# KiCad board ae89fa26-SparkFun_Thing_Plus_ESP32-S3_panelized.kicad_pcb (continued)
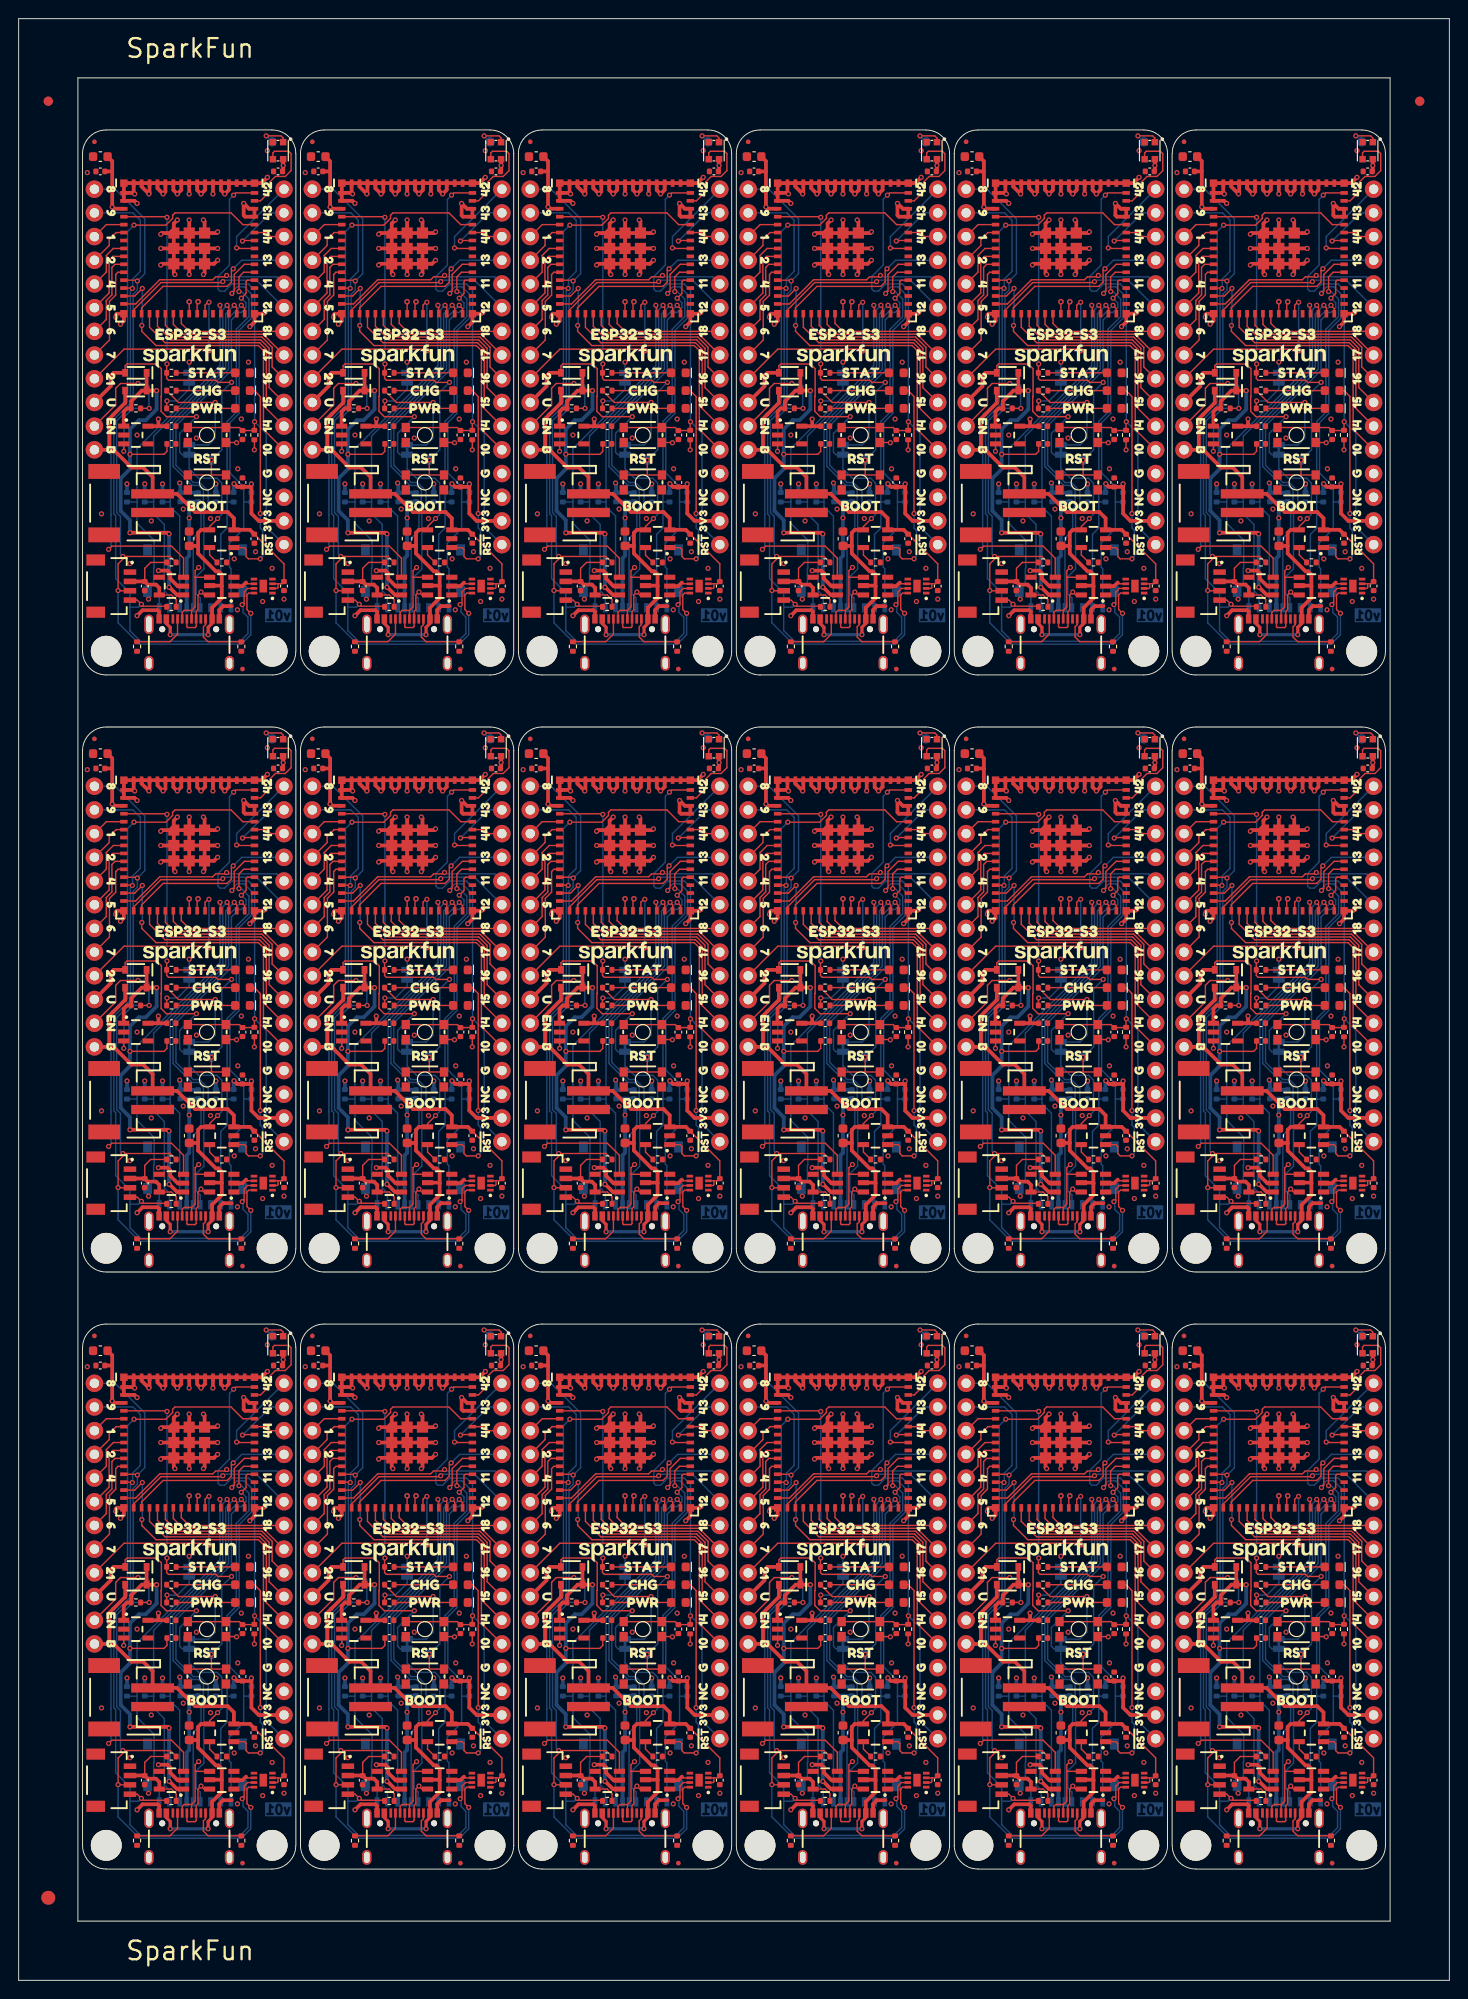
[diagram p0: board, top side]
## Nets (continued)
ESP16/A3: U3.20 U3#2.20 U3#3.20 U3#4.20 U3#5.20 U3#6.20 U3#7.20 U3#8.20 U3#9.20 U3#10.20 U3#11.20 U3#12.20 U3#13.20 U3#14.20 U3#15.20 U3#16.20 U3#17.20 U3#18.20 U10.21 U10#2.21 U10#3.21 U10#4.21 U10#5.21 U10#6.21 U10#7.21 U10#8.21 U10#9.21 U10#10.21 U10#11.21 U10#12.21 U10#13.21 U10#14.21 U10#15.21 U10#16.21 U10#17.21 U10#18.21
ESP17/A4: U3.21 U3#2.21 U3#3.21 U3#4.21 U3#5.21 U3#6.21 U3#7.21 U3#8.21 U3#9.21 U3#10.21 U3#11.21 U3#12.21 U3#13.21 U3#14.21 U3#15.21 U3#16.21 U3#17.21 U3#18.21 U10.20 U10#2.20 U10#3.20 U10#4.20 U10#5.20 U10#6.20 U10#7.20 U10#8.20 U10#9.20 U10#10.20 U10#11.20 U10#12.20 U10#13.20 U10#14.20 U10#15.20 U10#16.20 U10#17.20 U10#18.20
ESP18/A5: U3.22 U3#2.22 U3#3.22 U3#4.22 U3#5.22 U3#6.22 U3#7.22 U3#8.22 U3#9.22 U3#10.22 U3#11.22 U3#12.22 U3#13.22 U3#14.22 U3#15.22 U3#16.22 U3#17.22 U3#18.22 U10.19 U10#2.19 U10#3.19 U10#4.19 U10#5.19 U10#6.19 U10#7.19 U10#8.19 U10#9.19 U10#10.19 U10#11.19 U10#12.19 U10#13.19 U10#14.19 U10#15.19 U10#16.19 U10#17.19 U10#18.19
ESP19/D-: J1.A7 J1.B7 J1#2.A7 J1#2.B7 J1#3.A7 J1#3.B7 J1#4.A7 J1#4.B7 J1#5.A7 J1#5.B7 J1#6.A7 J1#6.B7 J1#7.A7 J1#7.B7 J1#8.A7 J1#8.B7 J1#9.A7 J1#9.B7 J1#10.A7 J1#10.B7 J1#11.A7 J1#11.B7 J1#12.A7 J1#12.B7 J1#13.A7 J1#13.B7 J1#14.A7 J1#14.B7 J1#15.A7 J1#15.B7 J1#16.A7 J1#16.B7 J1#17.A7 J1#17.B7 J1#18.A7 J1#18.B7 U2.4 U2#2.4 U2#3.4 U2#4.4 U2#5.4 U2#6.4 U2#7.4 U2#8.4 U2#9.4 U2#10.4 U2#11.4 U2#12.4 U2#13.4 U2#14.4 U2#15.4 U2#16.4 U2#17.4 U2#18.4 U3.23 U3#2.23 U3#3.23 U3#4.23 U3#5.23 U3#6.23 U3#7.23 U3#8.23 U3#9.23 U3#10.23 U3#11.23 U3#12.23 U3#13.23 U3#14.23 U3#15.23 U3#16.23 U3#17.23 U3#18.23
ESP20/D+: J1.A6 J1.B6 J1#2.A6 J1#2.B6 J1#3.A6 J1#3.B6 J1#4.A6 J1#4.B6 J1#5.A6 J1#5.B6 J1#6.A6 J1#6.B6 J1#7.A6 J1#7.B6 J1#8.A6 J1#8.B6 J1#9.A6 J1#9.B6 J1#10.A6 J1#10.B6 J1#11.A6 J1#11.B6 J1#12.A6 J1#12.B6 J1#13.A6 J1#13.B6 J1#14.A6 J1#14.B6 J1#15.A6 J1#15.B6 J1#16.A6 J1#16.B6 J1#17.A6 J1#17.B6 J1#18.A6 J1#18.B6 U2.6 U2#2.6 U2#3.6 U2#4.6 U2#5.6 U2#6.6 U2#7.6 U2#8.6 U2#9.6 U2#10.6 U2#11.6 U2#12.6 U2#13.6 U2#14.6 U2#15.6 U2#16.6 U2#17.6 U2#18.6 U3.24 U3#2.24 U3#3.24 U3#4.24 U3#5.24 U3#6.24 U3#7.24 U3#8.24 U3#9.24 U3#10.24 U3#11.24 U3#12.24 U3#13.24 U3#14.24 U3#15.24 U3#16.24 U3#17.24 U3#18.24
ESP21: U3.25 U3#2.25 U3#3.25 U3#4.25 U3#5.25 U3#6.25 U3#7.25 U3#8.25 U3#9.25 U3#10.25 U3#11.25 U3#12.25 U3#13.25 U3#14.25 U3#15.25 U3#16.25 U3#17.25 U3#18.25 U10.9 U10#2.9 U10#3.9 U10#4.9 U10#5.9 U10#6.9 U10#7.9 U10#8.9 U10#9.9 U10#10.9 U10#11.9 U10#12.9 U10#13.9 U10#14.9 U10#15.9 U10#16.9 U10#17.9 U10#18.9
ESP33/SDIO3: J2.2 J2#2.2 J2#3.2 J2#4.2 J2#5.2 J2#6.2 J2#7.2 J2#8.2 J2#9.2 J2#10.2 J2#11.2 J2#12.2 J2#13.2 J2#14.2 J2#15.2 J2#16.2 J2#17.2 J2#18.2 R6.2 R6#2.2 R6#3.2 R6#4.2 R6#5.2 R6#6.2 R6#7.2 R6#8.2 R6#9.2 R6#10.2 R6#11.2 R6#12.2 R6#13.2 R6#14.2 R6#15.2 R6#16.2 R6#17.2 R6#18.2 U3.28 U3#2.28 U3#3.28 U3#4.28 U3#5.28 U3#6.28 U3#7.28 U3#8.28 U3#9.28 U3#10.28 U3#11.28 U3#12.28 U3#13.28 U3#14.28 U3#15.28 U3#16.28 U3#17.28 U3#18.28
ESP34/SDIO_CMD: J2.3 J2#2.3 J2#3.3 J2#4.3 J2#5.3 J2#6.3 J2#7.3 J2#8.3 J2#9.3 J2#10.3 J2#11.3 J2#12.3 J2#13.3 J2#14.3 J2#15.3 J2#16.3 J2#17.3 J2#18.3 R1.2 R1#2.2 R1#3.2 R1#4.2 R1#5.2 R1#6.2 R1#7.2 R1#8.2 R1#9.2 R1#10.2 R1#11.2 R1#12.2 R1#13.2 R1#14.2 R1#15.2 R1#16.2 R1#17.2 R1#18.2 U3.29 U3#2.29 U3#3.29 U3#4.29 U3#5.29 U3#6.29 U3#7.29 U3#8.29 U3#9.29 U3#10.29 U3#11.29 U3#12.29 U3#13.29 U3#14.29 U3#15.29 U3#16.29 U3#17.29 U3#18.29
ESP38/SDIO_CLK: J2.5 J2#2.5 J2#3.5 J2#4.5 J2#5.5 J2#6.5 J2#7.5 J2#8.5 J2#9.5 J2#10.5 J2#11.5 J2#12.5 J2#13.5 J2#14.5 J2#15.5 J2#16.5 J2#17.5 J2#18.5 R2.2 R2#2.2 R2#3.2 R2#4.2 R2#5.2 R2#6.2 R2#7.2 R2#8.2 R2#9.2 R2#10.2 R2#11.2 R2#12.2 R2#13.2 R2#14.2 R2#15.2 R2#16.2 R2#17.2 R2#18.2 U3.34 U3#2.34 U3#3.34 U3#4.34 U3#5.34 U3#6.34 U3#7.34 U3#8.34 U3#9.34 U3#10.34 U3#11.34 U3#12.34 U3#13.34 U3#14.34 U3#15.34 U3#16.34 U3#17.34 U3#18.34
ESP39/SDIO0: J2.7 J2#2.7 J2#3.7 J2#4.7 J2#5.7 J2#6.7 J2#7.7 J2#8.7 J2#9.7 J2#10.7 J2#11.7 J2#12.7 J2#13.7 J2#14.7 J2#15.7 J2#16.7 J2#17.7 J2#18.7 R3.2 R3#2.2 R3#3.2 R3#4.2 R3#5.2 R3#6.2 R3#7.2 R3#8.2 R3#9.2 R3#10.2 R3#11.2 R3#12.2 R3#13.2 R3#14.2 R3#15.2 R3#16.2 R3#17.2 R3#18.2 U3.35 U3#2.35 U3#3.35 U3#4.35 U3#5.35 U3#6.35 U3#7.35 U3#8.35 U3#9.35 U3#10.35 U3#11.35 U3#12.35 U3#13.35 U3#14.35 U3#15.35 U3#16.35 U3#17.35 U3#18.35
ESP40/SDIO1: J2.8 J2#2.8 J2#3.8 J2#4.8 J2#5.8 J2#6.8 J2#7.8 J2#8.8 J2#9.8 J2#10.8 J2#11.8 J2#12.8 J2#13.8 J2#14.8 J2#15.8 J2#16.8 J2#17.8 J2#18.8 R4.2 R4#2.2 R4#3.2 R4#4.2 R4#5.2 R4#6.2 R4#7.2 R4#8.2 R4#9.2 R4#10.2 R4#11.2 R4#12.2 R4#13.2 R4#14.2 R4#15.2 R4#16.2 R4#17.2 R4#18.2 U3.36 U3#2.36 U3#3.36 U3#4.36 U3#5.36 U3#6.36 U3#7.36 U3#8.36 U3#9.36 U3#10.36 U3#11.36 U3#12.36 U3#13.36 U3#14.36 U3#15.36 U3#16.36 U3#17.36 U3#18.36
ESP41/NC: U3.37 U3#2.37 U3#3.37 U3#4.37 U3#5.37 U3#6.37 U3#7.37 U3#8.37 U3#9.37 U3#10.37 U3#11.37 U3#12.37 U3#13.37 U3#14.37 U3#15.37 U3#16.37 U3#17.37 U3#18.37
ESP42/FREE: U3.38 U3#2.38 U3#3.38 U3#4.38 U3#5.38 U3#6.38 U3#7.38 U3#8.38 U3#9.38 U3#10.38 U3#11.38 U3#12.38 U3#13.38 U3#14.38 U3#15.38 U3#16.38 U3#17.38 U3#18.38 U10.13 U10#2.13 U10#3.13 U10#4.13 U10#5.13 U10#6.13 U10#7.13 U10#8.13 U10#9.13 U10#10.13 U10#11.13 U10#12.13 U10#13.13 U10#14.13 U10#15.13 U10#16.13 U10#17.13 U10#18.13
ESP43/TXO: U3.39 U3#2.39 U3#3.39 U3#4.39 U3#5.39 U3#6.39 U3#7.39 U3#8.39 U3#9.39 U3#10.39 U3#11.39 U3#12.39 U3#13.39 U3#14.39 U3#15.39 U3#16.39 U3#17.39 U3#18.39 U10.14 U10#2.14 U10#3.14 U10#4.14 U10#5.14 U10#6.14 U10#7.14 U10#8.14 U10#9.14 U10#10.14 U10#11.14 U10#12.14 U10#13.14 U10#14.14 U10#15.14 U10#16.14 U10#17.14 U10#18.14
ESP44/RXI: U3.40 U3#2.40 U3#3.40 U3#4.40 U3#5.40 U3#6.40 U3#7.40 U3#8.40 U3#9.40 U3#10.40 U3#11.40 U3#12.40 U3#13.40 U3#14.40 U3#15.40 U3#16.40 U3#17.40 U3#18.40 U10.15 U10#2.15 U10#3.15 U10#4.15 U10#5.15 U10#6.15 U10#7.15 U10#8.15 U10#9.15 U10#10.15 U10#11.15 U10#12.15 U10#13.15 U10#14.15 U10#15.15 U10#16.15 U10#17.15 U10#18.15
ESP45/Q_EN: U1.3 U1#2.3 U1#3.3 U1#4.3 U1#5.3 U1#6.3 U1#7.3 U1#8.3 U1#9.3 U1#10.3 U1#11.3 U1#12.3 U1#13.3 U1#14.3 U1#15.3 U1#16.3 U1#17.3 U1#18.3 U3.41 U3#2.41 U3#3.41 U3#4.41 U3#5.41 U3#6.41 U3#7.41 U3#8.41 U3#9.41 U3#10.41 U3#11.41 U3#12.41 U3#13.41 U3#14.41 U3#15.41 U3#16.41 U3#17.41 U3#18.41
ESP46/LED: D6.4 D6#2.4 D6#3.4 D6#4.4 D6#5.4 D6#6.4 D6#7.4 D6#8.4 D6#9.4 D6#10.4 D6#11.4 D6#12.4 D6#13.4 D6#14.4 D6#15.4 D6#16.4 D6#17.4 D6#18.4 U3.44 U3#2.44 U3#3.44 U3#4.44 U3#5.44 U3#6.44 U3#7.44 U3#8.44 U3#9.44 U3#10.44 U3#11.44 U3#12.44 U3#13.44 U3#14.44 U3#15.44 U3#16.44 U3#17.44 U3#18.44
ESP47/SDIO2: J2.1 J2#2.1 J2#3.1 J2#4.1 J2#5.1 J2#6.1 J2#7.1 J2#8.1 J2#9.1 J2#10.1 J2#11.1 J2#12.1 J2#13.1 J2#14.1 J2#15.1 J2#16.1 J2#17.1 J2#18.1 R5.2 R5#2.2 R5#3.2 R5#4.2 R5#5.2 R5#6.2 R5#7.2 R5#8.2 R5#9.2 R5#10.2 R5#11.2 R5#12.2 R5#13.2 R5#14.2 R5#15.2 R5#16.2 R5#17.2 R5#18.2 U3.27 U3#2.27 U3#3.27 U3#4.27 U3#5.27 U3#6.27 U3#7.27 U3#8.27 U3#9.27 U3#10.27 U3#11.27 U3#12.27 U3#13.27 U3#14.27 U3#15.27 U3#16.27 U3#17.27 U3#18.27
ESP48/SDIO_~{DET}: J2.9 J2#2.9 J2#3.9 J2#4.9 J2#5.9 J2#6.9 J2#7.9 J2#8.9 J2#9.9 J2#10.9 J2#11.9 J2#12.9 J2#13.9 J2#14.9 J2#15.9 J2#16.9 J2#17.9 J2#18.9 U3.30 U3#2.30 U3#3.30 U3#4.30 U3#5.30 U3#6.30 U3#7.30 U3#8.30 U3#9.30 U3#10.30 U3#11.30 U3#12.30 U3#13.30 U3#14.30 U3#15.30 U3#16.30 U3#17.30 U3#18.30
ESP~{RST}: C6.1 C6#2.1 C6#3.1 C6#4.1 C6#5.1 C6#6.1 C6#7.1 C6#8.1 C6#9.1 C6#10.1 C6#11.1 C6#12.1 C6#13.1 C6#14.1 C6#15.1 C6#16.1 C6#17.1 C6#18.1 R8.2 R8#2.2 R8#3.2 R8#4.2 R8#5.2 R8#6.2 R8#7.2 R8#8.2 R8#9.2 R8#10.2 R8#11.2 R8#12.2 R8#13.2 R8#14.2 R8#15.2 R8#16.2 R8#17.2 R8#18.2 SW2.1 SW2#2.1 SW2#3.1 SW2#4.1 SW2#5.1 SW2#6.1 SW2#7.1 SW2#8.1 SW2#9.1 SW2#10.1 SW2#11.1 SW2#12.1 SW2#13.1 SW2#14.1 SW2#15.1 SW2#16.1 SW2#17.1 SW2#18.1 U3.45 U3#2.45 U3#3.45 U3#4.45 U3#5.45 U3#6.45 U3#7.45 U3#8.45 U3#9.45 U3#10.45 U3#11.45 U3#12.45 U3#13.45 U3#14.45 U3#15.45 U3#16.45 U3#17.45 U3#18.45 U10.28 U10#2.28 U10#3.28 U10#4.28 U10#5.28 U10#6.28 U10#7.28 U10#8.28 U10#9.28 U10#10.28 U10#11.28 U10#12.28 U10#13.28 U10#14.28 U10#15.28 U10#16.28 U10#17.28 U10#18.28
Q3V3: C3.1 C3#2.1 C3#3.1 C3#4.1 C3#5.1 C3#6.1 C3#7.1 C3#8.1 C3#9.1 C3#10.1 C3#11.1 C3#12.1 C3#13.1 C3#14.1 C3#15.1 C3#16.1 C3#17.1 C3#18.1 J4.2 J4#2.2 J4#3.2 J4#4.2 J4#5.2 J4#6.2 J4#7.2 J4#8.2 J4#9.2 J4#10.2 J4#11.2 J4#12.2 J4#13.2 J4#14.2 J4#15.2 J4#16.2 J4#17.2 J4#18.2 R12.1 R12#2.1 R12#3.1 R12#4.1 R12#5.1 R12#6.1 R12#7.1 R12#8.1 R12#9.1 R12#10.1 R12#11.1 R12#12.1 R12#13.1 R12#14.1 R12#15.1 R12#16.1 R12#17.1 R12#18.1 R15.1 R15#2.1 R15#3.1 R15#4.1 R15#5.1 R15#6.1 R15#7.1 R15#8.1 R15#9.1 R15#10.1 R15#11.1 R15#12.1 R15#13.1 R15#14.1 R15#15.1 R15#16.1 R15#17.1 R15#18.1 U1.5 U1#2.5 U1#3.5 U1#4.5 U1#5.5 U1#6.5 U1#7.5 U1#8.5 U1#9.5 U1#10.5 U1#11.5 U1#12.5 U1#13.5 U1#14.5 U1#15.5 U1#16.5 U1#17.5 U1#18.5
VUSB: C9.1 C9#2.1 C9#3.1 C9#4.1 C9#5.1 C9#6.1 C9#7.1 C9#8.1 C9#9.1 C9#10.1 C9#11.1 C9#12.1 C9#13.1 C9#14.1 C9#15.1 C9#16.1 C9#17.1 C9#18.1 D2.A D2#2.A D2#3.A D2#4.A D2#5.A D2#6.A D2#7.A D2#8.A D2#9.A D2#10.A D2#11.A D2#12.A D2#13.A D2#14.A D2#15.A D2#16.A D2#17.A D2#18.A J1.VBUS J1#2.VBUS J1#3.VBUS J1#4.VBUS J1#5.VBUS J1#6.VBUS J1#7.VBUS J1#8.VBUS J1#9.VBUS J1#10.VBUS J1#11.VBUS J1#12.VBUS J1#13.VBUS J1#14.VBUS J1#15.VBUS J1#16.VBUS J1#17.VBUS J1#18.VBUS JP1.2 JP1#2.2 JP1#3.2 JP1#4.2 JP1#5.2 JP1#6.2 JP1#7.2 JP1#8.2 JP1#9.2 JP1#10.2 JP1#11.2 JP1#12.2 JP1#13.2 JP1#14.2 JP1#15.2 JP1#16.2 JP1#17.2 JP1#18.2 U2.5 U2#2.5 U2#3.5 U2#4.5 U2#5.5 U2#6.5 U2#7.5 U2#8.5 U2#9.5 U2#10.5 U2#11.5 U2#12.5 U2#13.5 U2#14.5 U2#15.5 U2#16.5 U2#17.5 U2#18.5 U5.4 U5#2.4 U5#3.4 U5#4.4 U5#5.4 U5#6.4 U5#7.4 U5#8.4 U5#9.4 U5#10.4 U5#11.4 U5#12.4 U5#13.4 U5#14.4 U5#15.4 U5#16.4 U5#17.4 U5#18.4 U10.10 U10#2.10 U10#3.10 U10#4.10 U10#5.10 U10#6.10 U10#7.10 U10#8.10 U10#9.10 U10#10.10 U10#11.10 U10#12.10 U10#13.10 U10#14.10 U10#15.10 U10#16.10 U10#17.10 U10#18.10
Net-(D1-A): D1.2 D1#2.2 D1#3.2 D1#4.2 D1#5.2 D1#6.2 D1#7.2 D1#8.2 D1#9.2 D1#10.2 D1#11.2 D1#12.2 D1#13.2 D1#14.2 D1#15.2 D1#16.2 D1#17.2 D1#18.2 R7.2 R7#2.2 R7#3.2 R7#4.2 R7#5.2 R7#6.2 R7#7.2 R7#8.2 R7#9.2 R7#10.2 R7#11.2 R7#12.2 R7#13.2 R7#14.2 R7#15.2 R7#16.2 R7#17.2 R7#18.2
Net-(D4-A): D4.2 D4#2.2 D4#3.2 D4#4.2 D4#5.2 D4#6.2 D4#7.2 D4#8.2 D4#9.2 D4#10.2 D4#11.2 D4#12.2 D4#13.2 D4#14.2 D4#15.2 D4#16.2 D4#17.2 D4#18.2 R14.1 R14#2.1 R14#3.1 R14#4.1 R14#5.1 R14#6.1 R14#7.1 R14#8.1 R14#9.1 R14#10.1 R14#11.1 R14#12.1 R14#13.1 R14#14.1 R14#15.1 R14#16.1 R14#17.1 R14#18.1
Net-(D4-K): D4.1 D4#2.1 D4#3.1 D4#4.1 D4#5.1 D4#6.1 D4#7.1 D4#8.1 D4#9.1 D4#10.1 D4#11.1 D4#12.1 D4#13.1 D4#14.1 D4#15.1 D4#16.1 D4#17.1 D4#18.1 U5.1 U5#2.1 U5#3.1 U5#4.1 U5#5.1 U5#6.1 U5#7.1 U5#8.1 U5#9.1 U5#10.1 U5#11.1 U5#12.1 U5#13.1 U5#14.1 U5#15.1 U5#16.1 U5#17.1 U5#18.1
Net-(D5-A): D5.2 D5#2.2 D5#3.2 D5#4.2 D5#5.2 D5#6.2 D5#7.2 D5#8.2 D5#9.2 D5#10.2 D5#11.2 D5#12.2 D5#13.2 D5#14.2 D5#15.2 D5#16.2 D5#17.2 D5#18.2 R9.2 R9#2.2 R9#3.2 R9#4.2 R9#5.2 R9#6.2 R9#7.2 R9#8.2 R9#9.2 R9#10.2 R9#11.2 R9#12.2 R9#13.2 R9#14.2 R9#15.2 R9#16.2 R9#17.2 R9#18.2
Net-(D6-DOUT): D6.2 D6#2.2 D6#3.2 D6#4.2 D6#5.2 D6#6.2 D6#7.2 D6#8.2 D6#9.2 D6#10.2 D6#11.2 D6#12.2 D6#13.2 D6#14.2 D6#15.2 D6#16.2 D6#17.2 D6#18.2 TP1.1 TP1#2.1 TP1#3.1 TP1#4.1 TP1#5.1 TP1#6.1 TP1#7.1 TP1#8.1 TP1#9.1 TP1#10.1 TP1#11.1 TP1#12.1 TP1#13.1 TP1#14.1 TP1#15.1 TP1#16.1 TP1#17.1 TP1#18.1
Net-(J1-CC1): J1.A5 J1#2.A5 J1#3.A5 J1#4.A5 J1#5.A5 J1#6.A5 J1#7.A5 J1#8.A5 J1#9.A5 J1#10.A5 J1#11.A5 J1#12.A5 J1#13.A5 J1#14.A5 J1#15.A5 J1#16.A5 J1#17.A5 J1#18.A5 R11.1 R11#2.1 R11#3.1 R11#4.1 R11#5.1 R11#6.1 R11#7.1 R11#8.1 R11#9.1 R11#10.1 R11#11.1 R11#12.1 R11#13.1 R11#14.1 R11#15.1 R11#16.1 R11#17.1 R11#18.1
Net-(J1-CC2): J1.B5 J1#2.B5 J1#3.B5 J1#4.B5 J1#5.B5 J1#6.B5 J1#7.B5 J1#8.B5 J1#9.B5 J1#10.B5 J1#11.B5 J1#12.B5 J1#13.B5 J1#14.B5 J1#15.B5 J1#16.B5 J1#17.B5 J1#18.B5 R10.2 R10#2.2 R10#3.2 R10#4.2 R10#5.2 R10#6.2 R10#7.2 R10#8.2 R10#9.2 R10#10.2 R10#11.2 R10#12.2 R10#13.2 R10#14.2 R10#15.2 R10#16.2 R10#17.2 R10#18.2
Net-(JP1-A): JP1.1 JP1#2.1 JP1#3.1 JP1#4.1 JP1#5.1 JP1#6.1 JP1#7.1 JP1#8.1 JP1#9.1 JP1#10.1 JP1#11.1 JP1#12.1 JP1#13.1 JP1#14.1 JP1#15.1 JP1#16.1 JP1#17.1 JP1#18.1 R14.2 R14#2.2 R14#3.2 R14#4.2 R14#5.2 R14#6.2 R14#7.2 R14#8.2 R14#9.2 R14#10.2 R14#11.2 R14#12.2 R14#13.2 R14#14.2 R14#15.2 R14#16.2 R14#17.2 R14#18.2
Net-(JP4-A): JP4.1 JP4#2.1 JP4#3.1 JP4#4.1 JP4#5.1 JP4#6.1 JP4#7.1 JP4#8.1 JP4#9.1 JP4#10.1 JP4#11.1 JP4#12.1 JP4#13.1 JP4#14.1 JP4#15.1 JP4#16.1 JP4#17.1 JP4#18.1 R9.1 R9#2.1 R9#3.1 R9#4.1 R9#5.1 R9#6.1 R9#7.1 R9#8.1 R9#9.1 R9#10.1 R9#11.1 R9#12.1 R9#13.1 R9#14.1 R9#15.1 R9#16.1 R9#17.1 R9#18.1
Net-(U5-PROG): R16.1 R16#2.1 R16#3.1 R16#4.1 R16#5.1 R16#6.1 R16#7.1 R16#8.1 R16#9.1 R16#10.1 R16#11.1 R16#12.1 R16#13.1 R16#14.1 R16#15.1 R16#16.1 R16#17.1 R16#18.1 U5.5 U5#2.5 U5#3.5 U5#4.5 U5#5.5 U5#6.5 U5#7.5 U5#8.5 U5#9.5 U5#10.5 U5#11.5 U5#12.5 U5#13.5 U5#14.5 U5#15.5 U5#16.5 U5#17.5 U5#18.5

Pads without a net: J1 A8 B8 NC1 NC2 NC3; J1#2 A8 B8 NC1 NC2 NC3; J1#3 A8 B8 NC1 NC2 NC3; J1#4 A8 B8 NC1 NC2 NC3; J1#5 A8 B8 NC1 NC2 NC3; J1#6 A8 B8 NC1 NC2 NC3; J1#7 A8 B8 NC1 NC2 NC3; J1#8 A8 B8 NC1 NC2 NC3; J1#9 A8 B8 NC1 NC2 NC3; J1#10 A8 B8 NC1 NC2 NC3; J1#11 A8 B8 NC1 NC2 NC3; J1#12 A8 B8 NC1 NC2 NC3; J1#13 A8 B8 NC1 NC2 NC3; J1#14 A8 B8 NC1 NC2 NC3; J1#15 A8 B8 NC1 NC2 NC3; J1#16 A8 B8 NC1 NC2 NC3; J1#17 A8 B8 NC1 NC2 NC3; J1#18 A8 B8 NC1 NC2 NC3; J3 NC1 NC2; J3#2 NC1 NC2; J3#3 NC1 NC2; J3#4 NC1 NC2; J3#5 NC1 NC2; J3#6 NC1 NC2; J3#7 NC1 NC2; J3#8 NC1 NC2; J3#9 NC1 NC2; J3#10 NC1 NC2; J3#11 NC1 NC2; J3#12 NC1 NC2; J3#13 NC1 NC2; J3#14 NC1 NC2; J3#15 NC1 NC2; J3#16 NC1 NC2; J3#17 NC1 NC2; J3#18 NC1 NC2; J4 NC1 NC2; J4#2 NC1 NC2; J4#3 NC1 NC2; J4#4 NC1 NC2; J4#5 NC1 NC2; J4#6 NC1 NC2; J4#7 NC1 NC2; J4#8 NC1 NC2; J4#9 NC1 NC2; J4#10 NC1 NC2; J4#11 NC1 NC2; J4#12 NC1 NC2; J4#13 NC1 NC2; J4#14 NC1 NC2; J4#15 NC1 NC2; J4#16 NC1 NC2; J4#17 NC1 NC2; J4#18 NC1 NC2; U1 4; U1#2 4; U1#3 4; U1#4 4; U1#5 4; U1#6 4; U1#7 4; U1#8 4; U1#9 4; U1#10 4; U1#11 4; U1#12 4; U1#13 4; U1#14 4; U1#15 4; U1#16 4; U1#17 4; U1#18 4; U2 1 3; U2#2 1 3; U2#3 1 3; U2#4 1 3; U2#5 1 3; U2#6 1 3; U2#7 1 3; U2#8 1 3; U2#9 1 3; U2#10 1 3; U2#11 1 3; U2#12 1 3; U2#13 1 3; U2#14 1 3; U2#15 1 3; U2#16 1 3; U2#17 1 3; U2#18 1 3; U3 7 26 31 32 33; U3#2 7 26 31 32 33; U3#3 7 26 31 32 33; U3#4 7 26 31 32 33; U3#5 7 26 31 32 33; U3#6 7 26 31 32 33; U3#7 7 26 31 32 33; U3#8 7 26 31 32 33; U3#9 7 26 31 32 33; U3#10 7 26 31 32 33; U3#11 7 26 31 32 33; U3#12 7 26 31 32 33; U3#13 7 26 31 32 33; U3#14 7 26 31 32 33; U3#15 7 26 31 32 33; U3#16 7 26 31 32 33; U3#17 7 26 31 32 33; U3#18 7 26 31 32 33; U4 5 9; U4#2 5 9; U4#3 5 9; U4#4 5 9; U4#5 5 9; U4#6 5 9; U4#7 5 9; U4#8 5 9; U4#9 5 9; U4#10 5 9; U4#11 5 9; U4#12 5 9; U4#13 5 9; U4#14 5 9; U4#15 5 9; U4#16 5 9; U4#17 5 9; U4#18 5 9; U6 4; U6#2 4; U6#3 4; U6#4 4; U6#5 4; U6#6 4; U6#7 4; U6#8 4; U6#9 4; U6#10 4; U6#11 4; U6#12 4; U6#13 4; U6#14 4; U6#15 4; U6#16 4; U6#17 4; U6#18 4; U10 26; U10#2 26; U10#3 26; U10#4 26; U10#5 26; U10#6 26; U10#7 26; U10#8 26; U10#9 26; U10#10 26; U10#11 26; U10#12 26; U10#13 26; U10#14 26; U10#15 26; U10#16 26; U10#17 26; U10#18 26

## Via types
v1: diameter 0.56, hole 0.3, Top to Bottom, 1998 vias
v2: diameter 0.61, hole 0.305, Top to Bottom, 54 vias

## Routing (per net, layer and track width the routed paths; a pad name or vN(x,y) marks a point on that pad's centre or on a via; arc(x,y) is an arc through that point)
+3.3V: length 760.4
  Top w0.152: R8#8.1 v1(71.99,100.06) ; R8#6.1 v1(48.62,164.06) ; R8#5.1 v1(48.62,100.06) ; R8#14.1 v1(142.06,100.06) ; R8#10.1 v1(142.06,164.06) ; R8#18.1 v1(25.27,36.06) ; R8#7.1 v1(71.99,36.06) ; R8#2.1 v1(95.34,36.06) ; R8#9.1 v1(71.99,164.06) ; R8#4.1 v1(48.62,36.06) ; R8#15.1 v1(95.34,100.06) ; R8#12.1 v1(118.71,36.06) ; R8#17.1 v1(118.71,164.06) ; R8#13.1 v1(142.06,36.06) ; R8#3.1 v1(25.27,100.06) ; R8.1 v1(25.27,164.06) ; R8#11.1 v1(118.71,100.06) ; R8#16.1 v1(95.34,164.06)
  Top w0.406: U6#5.5 61.7,38.6 ; 61.7,38.6 v1(61.7,39.36) ; 61.7,38.6 62.61,38.6 C13#3.1 ; C1#8.2 10.03,131 10.03,129.91 ; 126.82,65.91 126.82,67 C1#4.2 ; 126.82,65.91 C7#15.1 ; 126.82,65.91 v1(126.82,62.1) 127.02,61.9 U3#16.3 ; 80.1,129.91 v1(80.1,126.1) 80.3,125.9 U3#15.3 ; 80.1,129.91 C7#11.1 ; 80.1,129.91 80.1,131 C1#12.2 ; 10.03,65.91 v1(10.03,62.1) 10.22,61.9 U3#18.3 ; 10.03,65.91 C7#18.1 ; 10.03,65.91 10.03,67 C1#18.2 ; U6#18.5 14.98,38.6 ; 14.98,38.6 v1(14.98,39.36) ; 14.98,38.6 15.89,38.6 C13#18.1 ; U3#12.3 127.02,125.9 v1(126.82,126.1) 126.82,129.91 ; C1#15.2 103.47,195 103.47,193.91 ; C13.1 15.89,102.6 14.98,102.6 ; 80.1,193.91 v1(80.1,190.1) 80.3,189.9 U3#10.3 ; 80.1,193.91 80.1,195 C1#13.2 ; 80.1,193.91 C7#12.1 ; U10#6.27 72.46,28.44 71.67,29.23 v1(71.67,32.41) 71.67,32.25 71.5,32.09 C11#7.1 70.15,32.09 v1(69.81,32.43) ; 38.34,166.6 39.25,166.6 39.25,166.6 ; 38.34,166.6 v1(38.34,167.36) ; 38.34,166.6 U6#10.5 ; D6#3.1 98.44,129.98 98.37,129.91 ; 56.75,129.91 56.75,131 C1#10.2 ; 56.75,129.91 v1(56.75,126.1) 56.94,125.9 U3#8.3 ; 56.75,129.91 C7#2.1 ; 80.1,65.91 v1(80.1,62.1) 80.3,61.9 U3#11.3 ; 80.1,65.91 C7#10.1 ; 80.1,65.91 80.1,67 C1#11.2 ; C7.1 10.03,193.91 ; 10.03,193.91 10.03,195 C1#7.2 ; 10.03,193.91 v1(10.03,190.1) 10.22,189.9 U3#3.3 ; U10#9.27 72.46,92.44 71.67,93.23 v1(71.67,96.41) 71.67,96.25 71.5,96.09 C11#13.1 70.15,96.09 v1(69.81,96.43) ; C8#5.1 28.36,193.98 D6#17.1 ; 108.42,102.6 v1(108.42,103.36) ; 108.42,102.6 U6#14.5 ; 108.42,102.6 109.33,102.6 C13#13.1 ; 10.03,129.91 v1(10.03,126.1) 10.22,125.9 U3#4.3 ; 10.03,129.91 C7#8.1 ; C7#9.1 33.38,65.91 ; 33.38,65.91 v1(33.38,62.1) 33.58,61.9 U3#2.3 ; 33.38,65.91 33.38,67 C1#2.2 ; 56.75,193.91 v1(56.75,190.1) 56.94,189.9 U3#7.3 ; 56.75,193.91 56.75,195 C1.2 ; 56.75,193.91 C7#5.1 ; 126.82,129.91 126.82,131 C1#16.2 ; 126.82,129.91 C7#14.1 ; C1#3.2 103.47,131 103.47,129.91 ; 98.37,193.91 98.44,193.98 D6#11.1 ; 131.78,166.6 v1(131.78,167.36) ; 131.78,166.6 132.69,166.6 132.69,166.6 ; 131.78,166.6 U6.5 ; C8#18.1 121.79,193.98 121.79,195.21 ; C7#17.1 126.82,193.91 ; 126.82,193.91 v1(126.82,190.1) 127.02,189.9 U3#13.3 ; 126.82,193.91 126.82,195 C1#17.2 ; 39.25,102.6 39.25,102.6 38.34,102.6 ; U10#3.27 49.1,28.44 48.31,29.23 v1(48.31,32.41) 48.31,32.25 48.15,32.09 C11#3.1 46.79,32.09 v1(46.45,32.43) ; v1(23.09,96.43) 23.43,96.09 C11#2.1 24.78,96.09 24.95,96.25 v1(24.95,96.41) 24.95,93.23 25.74,92.44 U10.27 ; v1(93.17,96.43) 93.51,96.09 C11.1 94.87,96.09 95.03,96.25 v1(95.03,96.41) 95.03,93.23 95.82,92.44 U10#17.27 ; 108.42,166.6 109.33,166.6 C13#14.1 ; 108.42,166.6 U6#15.5 ; 108.42,166.6 v1(108.42,167.36) ; C7#7.1 33.38,193.91 ; 33.38,193.91 33.38,195 C1#6.2 ; 33.38,193.91 v1(33.38,190.1) 33.58,189.9 U3.3 ; 131.78,102.6 132.69,102.6 132.69,102.6 ; 131.78,102.6 U6#16.5 ; 131.78,102.6 v1(131.78,103.36) ; v1(69.81,160.43) 70.15,160.09 C11#12.1 71.5,160.09 71.67,160.25 v1(71.67,160.41) 71.67,157.23 72.46,156.44 U10#12.27 ; 38.34,102.6 v1(38.34,103.36) ; 38.34,102.6 U6#8.5 ; U10#15.27 119.18,92.44 118.39,93.23 v1(118.39,96.41) 118.39,96.25 118.22,96.09 C11#16.1 116.87,96.09 v1(116.53,96.43) ; U6#17.5 131.78,38.6 ; 131.78,38.6 v1(131.78,39.36) ; 131.78,38.6 132.69,38.6 132.69,38.6 ; 85.06,102.6 85.97,102.6 85.97,102.6 ; 85.06,102.6 U6#2.5 ; 85.06,102.6 v1(85.06,103.36) ; U6#9.5 14.98,166.6 ; 14.98,166.6 15.89,166.6 C13#5.1 ; 14.98,166.6 v1(14.98,167.36) ; 51.65,193.91 51.72,193.98 D6#12.1 ; D6#16.1 28.36,129.98 C8#4.1 ; 14.98,102.6 v1(14.98,103.36) ; 14.98,102.6 U6#7.5 ; C8#6.1 75.07,129.98 75.07,131.21 ; 121.79,67.21 121.79,65.98 C8#7.1 ; v1(93.17,160.43) 93.51,160.09 C11#6.1 94.87,160.09 95.03,160.25 v1(95.03,160.41) 95.03,157.23 95.82,156.44 U10#13.27 ; D6#8.1 145.16,65.98 145.09,65.91 ; U10#4.27 49.1,92.44 48.31,93.23 v1(48.31,96.41) 48.31,96.25 48.15,96.09 C11#11.1 46.79,96.09 v1(46.45,96.43) ; 56.75,65.91 v1(56.75,62.1) 56.94,61.9 U3#17.3 ; 56.75,65.91 C7#3.1 ; 56.75,65.91 56.75,67 C1#9.2 ; U10#7.27 142.54,156.44 141.75,157.23 v1(141.75,160.41) 141.75,160.25 141.59,160.09 C11#5.1 140.23,160.09 v1(139.89,160.43) ; U10#5.27 49.1,156.44 48.31,157.23 v1(48.31,160.41) 48.31,160.25 48.15,160.09 C11#14.1 46.79,160.09 v1(46.45,160.43) ; C8#2.1 28.36,65.98 D6.1 ; U6#4.5 61.7,166.6 ; 61.7,166.6 62.61,166.6 C13#9.1 ; 61.7,166.6 v1(61.7,167.36) ; U10#14.27 119.18,28.44 118.39,29.23 v1(118.39,32.41) 118.39,32.25 118.22,32.09 C11#15.1 116.87,32.09 v1(116.53,32.43) ; 85.97,38.6 85.97,38.6 85.06,38.6 ; 85.06,166.6 v1(85.06,167.36) ; 85.06,166.6 85.97,166.6 85.97,166.6 ; 85.06,166.6 U6#12.5 ; 85.06,38.6 v1(85.06,39.36) ; 85.06,38.6 U6#6.5 ; C13#15.1 109.33,38.6 108.42,38.6 ; v1(23.09,32.43) 23.43,32.09 C11#18.1 24.78,32.09 24.95,32.25 v1(24.95,32.41) 24.95,29.23 25.74,28.44 U10#18.27 ; 103.47,129.91 v1(103.47,126.1) 103.66,125.9 U3#9.3 ; 103.47,129.91 C7#4.1 ; U3#14.3 103.66,61.9 v1(103.47,62.1) 103.47,65.91 ; v1(23.09,160.43) 23.43,160.09 C11#10.1 24.78,160.09 24.95,160.25 v1(24.95,160.41) 24.95,157.23 25.74,156.44 U10#2.27 ; U10#10.27 142.54,28.44 141.75,29.23 v1(141.75,32.41) 141.75,32.25 141.59,32.09 C11#4.1 140.23,32.09 v1(139.89,32.43) ; 51.65,65.91 51.72,65.98 D6#18.1 ; C7#16.1 103.47,193.91 ; 103.47,193.91 v1(103.47,190.1) 103.66,189.9 U3#6.3 ; 75.07,67.21 75.07,65.98 C8#14.1 ; 75.07,195.21 75.07,193.98 C8#16.1 ; 145.09,193.91 145.16,193.98 D6#4.1 ; v1(116.53,160.43) 116.87,160.09 C11#17.1 118.22,160.09 118.39,160.25 v1(118.39,160.41) 118.39,157.23 119.18,156.44 U10#16.27 ; 51.65,129.91 51.72,129.98 D6#7.1 ; D6#13.1 98.44,65.98 98.37,65.91 ; 103.47,65.91 C7#13.1 ; 103.47,65.91 103.47,67 C1#14.2 ; 33.38,129.91 33.38,131 C1#5.2 ; 33.38,129.91 C7#6.1 ; 33.38,129.91 v1(33.38,126.1) 33.58,125.9 U3#5.3 ; D6#15.1 145.16,129.98 145.09,129.91 ; C13#8.1 62.61,102.6 61.7,102.6 ; U6#11.5 61.7,102.6 ; 61.7,102.6 v1(61.7,103.36) ; U6#3.5 38.34,38.6 ; 38.34,38.6 v1(38.34,39.36) ; 38.34,38.6 39.25,38.6 39.25,38.6 ; U6#13.5 108.42,38.6 ; 108.42,38.6 v1(108.42,39.36) ; U10#8.27 142.54,92.44 141.75,93.23 v1(141.75,96.41) 141.75,96.25 141.59,96.09 C11#8.1 140.23,96.09 v1(139.89,96.43) ; 121.79,131.21 121.79,129.98 C8.1 ; U10#11.27 95.82,28.44 95.03,29.23 v1(95.03,32.41) 95.03,32.25 94.87,32.09 C11#9.1 93.51,32.09 v1(93.17,32.43)
  Bottom w0.152: JP4#4.2 v1(88.36,109.46) ; JP4#3.2 v1(65,109.46) ; JP4#6.2 v1(88.36,45.46) ; JP4#18.2 v1(18.28,45.46) ; JP4#17.2 v1(135.08,109.46) ; JP4#8.2 v1(111.72,109.46) ; JP4#12.2 v1(41.64,173.46) ; JP4#10.2 v1(111.72,45.46) ; JP4#7.2 v1(88.36,173.46) ; JP4#9.2 v1(135.08,45.46) ; JP4#13.2 v1(65,173.46) ; JP4#11.2 v1(41.64,45.46) ; JP4#2.2 v1(18.28,109.46) ; JP4#16.2 v1(65,45.46) ; JP4#5.2 v1(41.64,109.46) ; JP4#14.2 v1(111.72,173.46) ; JP4#15.2 v1(135.08,173.46) ; JP4.2 v1(18.28,173.46)
  Bottom w0.406: 88.36,158.5 87.41,158.5 C4#13.1 ; 88.36,158.5 88.36,152.7 88.09,152.44 J2#6.4 ; 88.36,158.5 88.36,158.5 C5#12.1 ; R5#2.1 v1(128.41,32.41) ; 88.36,94.5 87.41,94.5 C4#12.1 ; 88.36,94.5 88.36,88.7 88.09,88.44 J2#16.4 ; 88.36,94.5 88.36,94.5 C5#10.1 ; R5.1 v1(11.61,96.41) ; R4#13.1 v1(118.39,96.41) ; C4#16.1 134.13,30.5 135.08,30.5 ; 18.28,30.5 18.28,30.5 C5#18.1 ; 18.28,30.5 18.28,24.7 18.02,24.44 18.02,19.13 ; 18.28,30.5 17.33,30.5 C4.1 ; 111.72,94.5 111.72,88.7 111.46,88.44 J2#17.4 ; 111.72,94.5 111.72,94.5 C5#15.1 ; 111.72,94.5 110.77,94.5 C4#14.1 ; 65,30.5 65,30.5 C5#8.1 ; 65,30.5 64.05,30.5 C4#7.1 ; 65,30.5 65,24.7 64.74,24.44 64.74,19.13 ; R2#8.1 v1(44.5,96.41) ; R3#13.1 116.48,32.38 v1(116.53,32.43) ; R5#15.1 v1(81.69,32.41) ; C4#2.1 64.05,158.5 65,158.5 ; v1(23.09,96.43) 23.04,96.38 R3#5.1 ; 65,158.5 65,152.7 64.74,152.44 J2#14.4 ; 65,158.5 65,158.5 C5#9.1 ; v1(93.17,160.43) 93.12,160.38 R3#9.1 ; 41.64,158.5 40.69,158.5 C4#5.1 ; 41.64,158.5 41.64,158.5 C5#6.1 ; 41.64,158.5 41.64,152.7 41.38,152.44 J2#4.4 ; R1#17.1 v1(132.22,96.41) ; R5#9.1 v1(105.05,32.41) ; v1(23.09,32.43) 23.04,32.38 R3#18.1 ; v1(69.81,32.43) 69.76,32.38 R3#3.1 ; R2#12.1 v1(67.86,32.41) ; C4#10.1 40.69,30.5 41.64,30.5 ; R6#17.1 v1(36.88,32.41) ; R5#14.1 v1(105.05,96.41) ; R3#6.1 46.4,32.38 v1(46.45,32.43) ; R1#6.1 v1(62.14,32.41) ; 18.28,158.5 18.28,152.7 18.02,152.44 J2#13.4 ; 18.28,158.5 18.28,158.5 C5.1 ; 18.28,158.5 17.33,158.5 C4#8.1 ; J2#10.4 134.81,88.44 135.08,88.7 135.08,94.5 ; 18.28,94.5 17.33,94.5 C4#6.1 ; 18.28,94.5 18.28,88.7 18.02,88.44 J2#7.4 ; 18.28,94.5 18.28,94.5 C5#2.1 ; R1#2.1 v1(108.86,160.41) ; 135.08,158.5 135.08,152.7 134.81,152.44 J2#18.4 ; 135.08,158.5 135.08,158.5 C5#14.1 ; 135.08,158.5 134.13,158.5 C4#18.1 ; R1#7.1 v1(62.14,96.41) ; R6#6.1 v1(60.24,96.41) ; R5#17.1 v1(128.41,96.41) ; R5#3.1 v1(11.61,160.41) ; C5#4.1 41.64,30.5 41.64,30.5 ; 135.08,94.5 135.08,94.5 C5#17.1 ; 135.08,94.5 134.13,94.5 C4#17.1 ; R5#7.1 v1(58.33,32.41) ; C5#3.1 111.72,30.5 111.72,30.5 ; C4#11.1 87.41,30.5 88.36,30.5 ; R3#10.1 69.76,160.38 v1(69.81,160.43) ; R4#7.1 v1(71.67,96.41) ; R2#18.1 v1(21.14,32.41) ; R6.1 v1(106.96,160.41) ; R1#13.1 v1(62.14,160.41) ; R6#13.1 v1(83.6,160.41) ; 88.36,30.5 88.36,24.7 88.09,24.44 88.09,19.13 ; 88.36,30.5 88.36,30.5 C5#11.1 ; R4#4.1 v1(48.31,32.41) ; C4#15.1 110.77,158.5 111.72,158.5 ; R6#11.1 v1(60.24,160.41) ; v1(93.17,32.43) 93.12,32.38 R3#8.1 ; R5#12.1 v1(81.69,96.41) ; R4#14.1 v1(118.39,160.41) ; R4#18.1 v1(24.95,32.41) ; R1#4.1 v1(132.22,32.41) ; R6#3.1 v1(83.6,32.41) ; C4#3.1 110.77,30.5 111.72,30.5 ; R5#10.1 v1(105.05,160.41) ; R2#11.1 v1(137.94,160.41) ; 41.64,94.5 40.69,94.5 C4#4.1 ; 41.64,94.5 41.64,94.5 C5#5.1 ; 41.64,94.5 41.64,88.7 41.38,88.44 J2#15.4 ; C5#7.1 65,94.5 65,94.5 ; J2#9.4 111.46,152.44 111.72,152.7 111.72,158.5 ; 111.72,158.5 111.72,158.5 C5#16.1 ; R6#5.1 v1(130.32,160.41) ; R4#16.1 v1(141.75,96.41) ; R2#6.1 v1(44.5,32.41) ; 111.46,19.13 111.46,24.44 111.72,24.7 111.72,30.5 ; v1(116.53,96.43) 116.48,96.38 R3#15.1 ; C4#9.1 64.05,94.5 65,94.5 ; R4#8.1 v1(71.67,160.41) ; R3#16.1 116.48,160.38 v1(116.53,160.43) ; R2#9.1 v1(91.22,96.41) ; v1(93.17,96.43) 93.12,96.38 R3#14.1 ; J2#12.4 64.74,88.44 65,88.7 65,94.5 ; C5#13.1 135.08,30.5 135.08,30.5 ; v1(46.45,96.43) 46.4,96.38 R3#11.1 ; v1(69.81,96.43) 69.76,96.38 R3.1 ; R1#12.1 v1(85.5,160.41) ; R4#15.1 v1(141.75,32.41) ; 134.81,19.13 134.81,24.44 135.08,24.7 135.08,30.5 ; R5#18.1 v1(11.61,32.41) ; R4#6.1 v1(48.31,96.41) ; R6#8.1 v1(130.32,32.41) ; R3#4.1 139.84,32.38 v1(139.89,32.43) ; v1(46.45,160.43) 46.4,160.38 R3#7.1 ; R5#16.1 v1(128.41,160.41) ; R5#8.1 v1(58.33,160.41) ; 41.64,30.5 41.64,24.7 41.38,24.44 41.38,19.13 ; R1#16.1 v1(132.22,160.41) ; R1#8.1 v1(15.42,160.41) ; R4#11.1 v1(118.39,32.41) ; R1#14.1 v1(108.86,96.41) ; R4#9.1 v1(95.03,32.41) ; R4#2.1 v1(24.95,160.41) ; R5#5.1 v1(34.97,160.41) ; R2#16.1 v1(137.94,96.41) ; R1#15.1 v1(38.78,96.41) ; R2#5.1 v1(21.14,160.41) ; R5#13.1 v1(81.69,160.41) ; R2#14.1 v1(91.22,160.41) ; R6#9.1 v1(83.6,96.41) ; R4#10.1 v1(95.03,96.41) ; R2#7.1 v1(44.5,160.41) ; R1#18.1 v1(15.42,32.41) ; R2.1 v1(91.22,32.41) ; R2#3.1 v1(114.58,32.41) ; R2#17.1 v1(137.94,32.41) ; R6#14.1 v1(13.52,160.41) ; R4#17.1 v1(141.75,160.41) ; R6#16.1 v1(13.52,96.41) ; R3#12.1 23.04,160.38 v1(23.09,160.43) ; R5#11.1 v1(58.33,96.41) ; R3#17.1 139.84,96.38 v1(139.89,96.43) ; R5#4.1 v1(34.97,32.41) ; v1(139.89,160.43) 139.84,160.38 R3#2.1 ; R1#11.1 v1(108.86,32.41) ; R1#9.1 v1(38.78,160.41) ; R6#10.1 v1(60.24,32.41) ; R4#5.1 v1(24.95,96.41) ; R1#3.1 v1(85.5,32.41) ; R6#2.1 v1(130.32,96.41) ; R6#4.1 v1(36.88,160.41) ; R1#5.1 v1(38.78,32.41) ; R6#7.1 v1(106.96,32.41) ; R2#2.1 v1(67.86,96.41) ; R2#15.1 v1(114.58,160.41) ; R4#12.1 v1(95.03,160.41) ; R5#6.1 v1(34.97,96.41) ; R6#12.1 v1(106.96,96.41) ; R4#3.1 v1(48.31,160.41) ; R2#13.1 v1(67.86,160.41) ; R1#10.1 v1(85.5,96.41) ; R1.1 v1(15.42,96.41) ; R2#4.1 v1(21.14,96.41) ; R6#18.1 v1(13.52,32.41) ; R6#15.1 v1(36.88,96.41) ; R2#10.1 v1(114.58,96.41) ; R4.1 v1(71.67,32.41)
  vias: v1(18.28,156.76) v1(18.28,92.76) v1(18.28,28.76) v1(28.36,194.54) v1(28.36,130.54) v1(28.36,66.54) v1(41.64,156.76) v1(41.64,92.76) v1(41.64,28.76) v1(51.72,194.54) v1(51.72,130.54) v1(51.72,66.54) v1(65,156.76) v1(65,92.76) v1(65,28.76) v1(75.07,194.54) v1(75.07,130.54) v1(75.07,66.54) v1(88.36,156.76) v1(88.36,92.76) v1(88.36,28.76) v1(98.44,194.54) v1(98.44,130.54) v1(98.44,66.54) v1(111.72,156.76) v1(111.72,92.76) v1(111.72,28.76) v1(121.79,194.54) v1(121.79,130.54) v1(121.79,66.54) v1(135.08,156.76) v1(135.08,92.76) v1(135.08,28.76) v1(145.16,194.54) v1(145.16,130.54) v1(145.16,66.54)
